# KiCad board DemoBoy.kicad_pcb (continued)
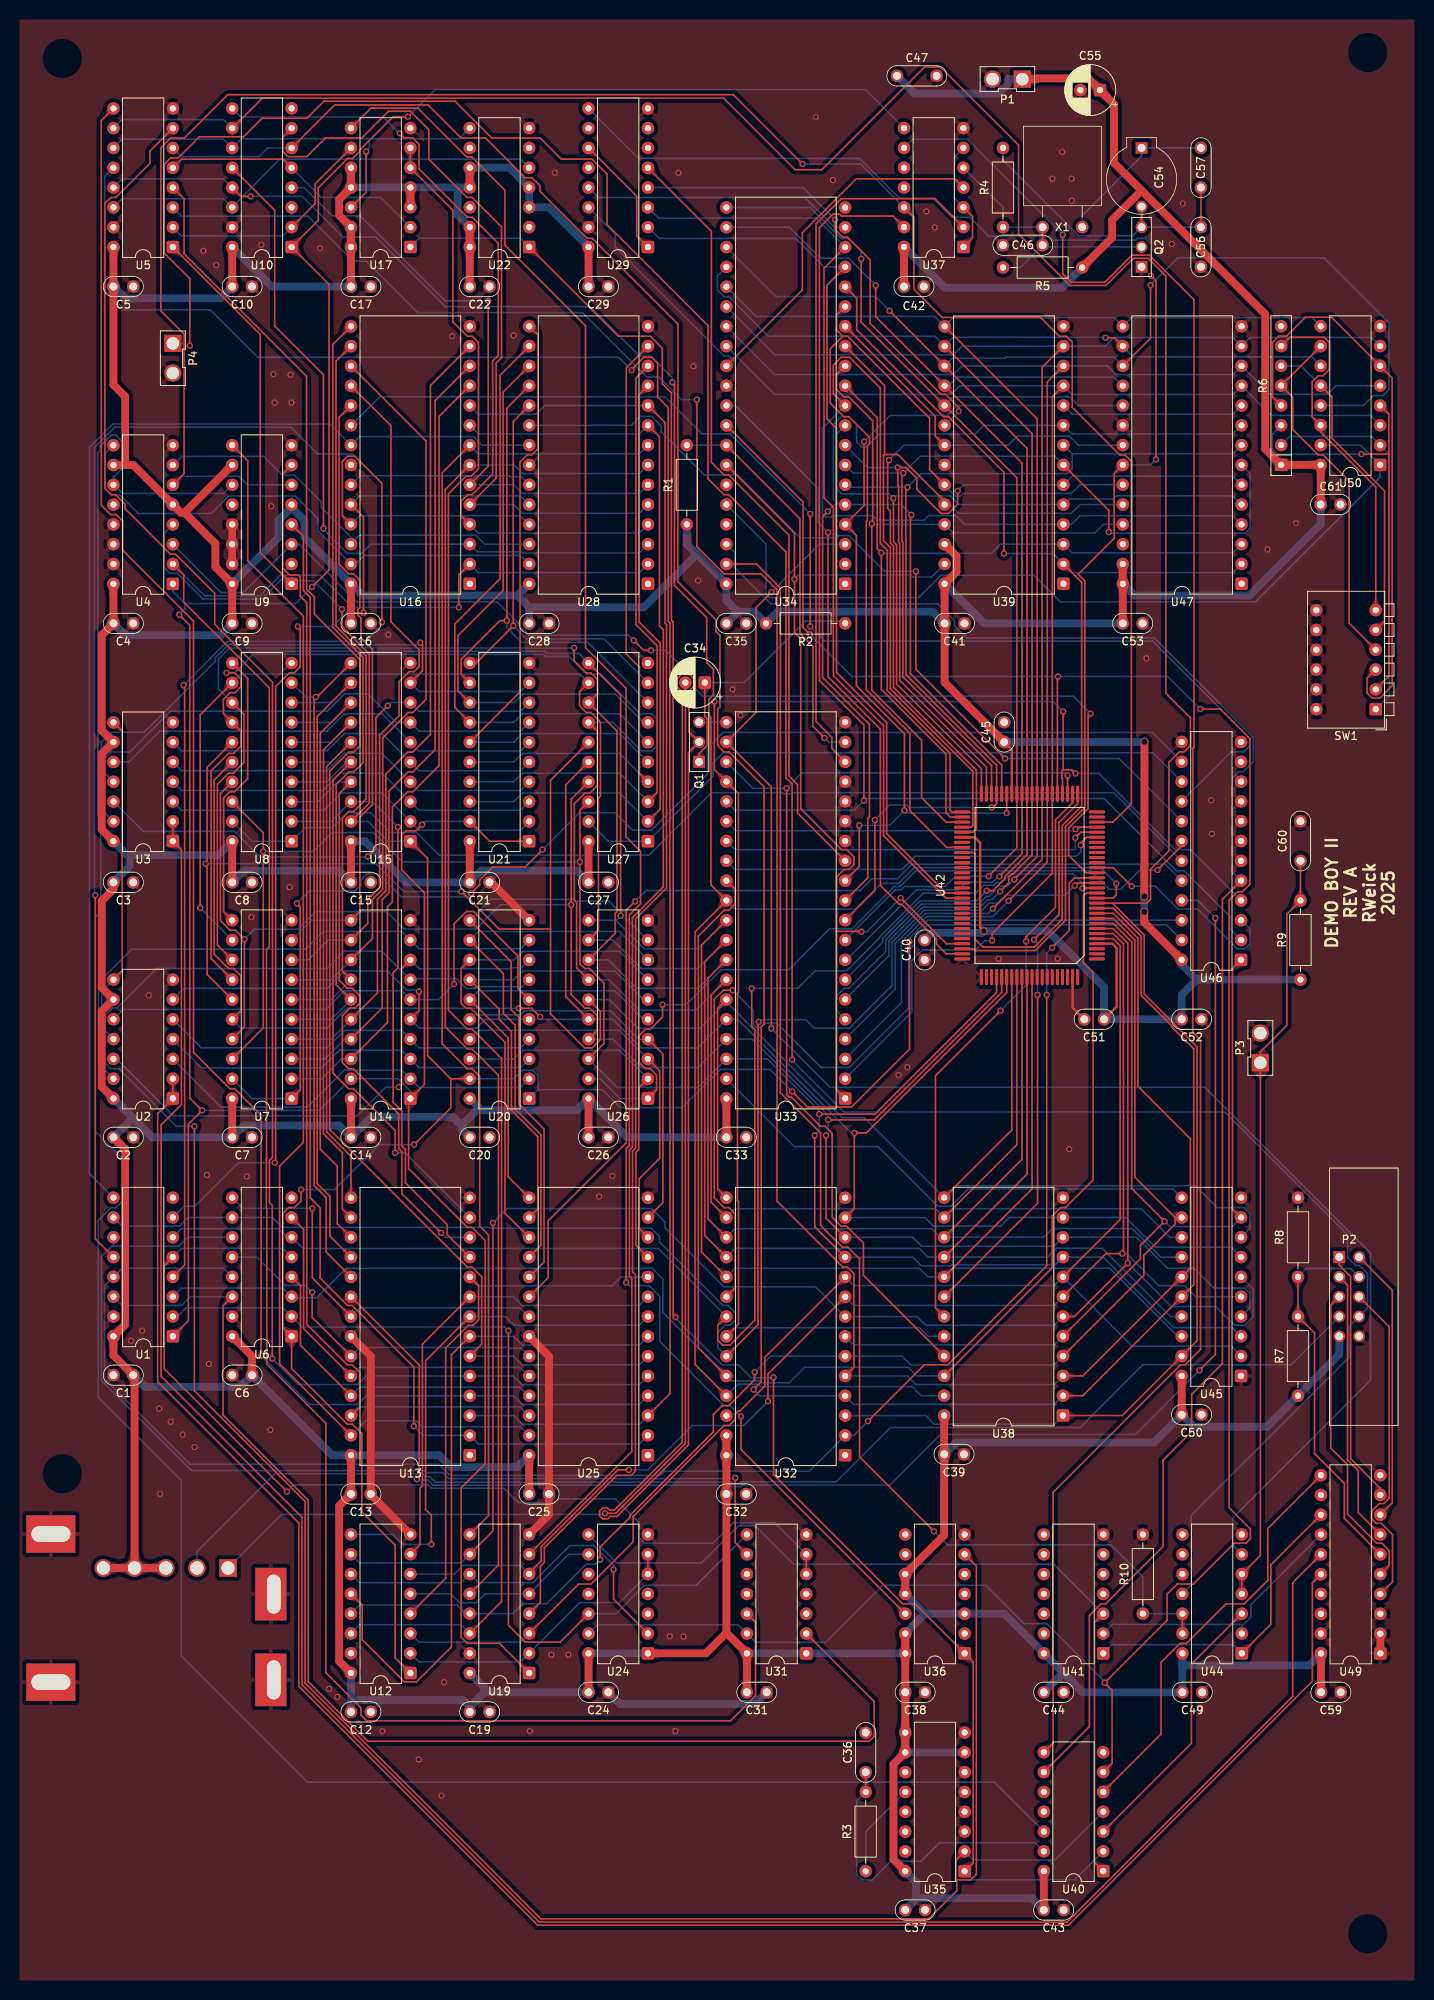
[diagram p0: board, top side]
## Routing (per net, layer and track width the routed paths; a pad name or vN(x,y) marks a point on that pad's centre or on a via; arc(x,y) is an arc through that point) (continued)
  Bottom w0.2: U28.27 65.87,182.17 64.77,183.27 44.71,183.27 43.6,182.17 U16.27 38.78,186.43 38.78,188 35.89,190.88 27.34,190.88 25.11,188.65 15.73,188.65 13.33,191.05 12.26,191.05 11.45,191.86 11.45,196.3 U4.9
/RAM0.D0: length 101.7
  Top w0.2: U16.11 54.34,201.09 54.34,156.31 50.98,152.96 50.32,152.96 48.35,150.99 48.35,138.81 47.72,138.18 47.72,123.38 U14.18
  Bottom w0.2: U7.2 39.28,116.15 41.82,118.69 U14.18
/RAM0.D1: length 101.7
  Top w0.2: U14.17 47.03,125.23 47.03,139.13 47.91,140 47.91,153.05 50.36,155.5 50.97,155.5 53.84,158.37 53.84,203.13 U16.12
  Bottom w0.2: U14.17 42.23,121.23 39.69,118.69 U7.3
/RAM0.D2: length 101.7
  Top w0.2: U14.16 46.43,127.17 46.43,139.17 47.51,140.24 47.51,155.23 50.32,158.04 50.95,158.04 53.23,160.32 53.23,205.07 U16.13
  Bottom w0.2: U14.16 40.5,121.23 U7.4
/RAM0.D3: length 100.2
  Top w0.2: 43.04,212.65 40.71,210.32 40.71,174.06 44.58,170.19 44.58,156.69 43.39,155.5 42.75,155.5 41.13,153.88 41.13,128.22 U14.15
  Bottom w0.2: U14.15 40.5,123.77 U7.5
/RAM0.D4: length 94.4
  Top w0.2: U14.14 41.94,129.95 41.94,149.62 42.74,150.42 43.36,150.42 44.99,152.04 44.99,170.35 41.11,174.23 41.11,208.19 U16.16
  Bottom w0.2: U14.14 40.5,126.31 U7.6
/RAM0.D5: length 93.2
  Top w0.2: U14.13 45.79,134.14 45.79,139.16 47.1,140.48 47.1,159.86 50.37,163.12 50.98,163.12 52.65,164.8 52.65,197.95 U16.17
  Bottom w0.2: U14.13 40.5,128.85 U7.7
/RAM0.D6: length 87.4
  Top w0.2: U16.18 48.16,199.9 48.16,174.76 51.78,171.14 51.78,169.01 51.14,168.37 50.5,168.37 49.21,167.08 49.21,162.72 46.7,160.21 46.7,140.64 45.19,139.13 45.19,136.08 U14.12
  Bottom w0.2: U14.12 40.09,133.93 37.55,131.39 U7.8
/RAM0.D7: length 78.8
  Top w0.2: U14.11 44.17,137.6 44.17,149.7 45.79,151.32 45.79,171.25 44.31,172.73 44.31,175.24 43.94,175.61 43.94,176.33 44.17,176.56 44.17,180.09 43.36,180.9 42.74,180.9 41.51,182.13 41.51,200.97 U16.19
  Bottom w0.2: U14.11 37.96,136.47 U7.9
/RAM0.~{CE1}: length 156.1
  Top w0.2: v3(101.96,188.59) v3(101.96,174.15)
  Bottom w0.2: U16.20 46.69,203.61 83.33,203.61 88.09,198.85 91.71,198.85 v3(101.96,188.59) ; v3(101.96,174.15) 103.83,172.28 145.9,172.28 158.37,159.8 158.37,158.88 157.57,158.07 155.98,158.07 U46.16
/RAM1-2.A0: length 71.4
  Top w0.2: U12.4 55.18,52.07 55.18,81.61 58.1,84.52 58.71,84.52 59.41,85.22 59.41,89.6 U13.10
  Bottom w0.2: U25.10 77.65,90.73 76.51,89.59 59.42,89.59 U13.10
/RAM1-2.A1: length 60
  Top w0.2: U12.7 51.89,56.41 51.89,63.64 52.2,63.95 52.2,82.12 U13.9
  Bottom w0.2: U13.9 63.88,88.19 65,87.08 80.03,87.08 U25.9
/RAM1-2.A2: length 66.5
  Top w0.2: v3(53.34,56.43) 53.34,60.16 52.61,60.9 52.61,79.98 U13.8
  Bottom w0.2: U13.8 62.87,85.65 63.98,84.54 80.03,84.54 U25.8 ; U12.9 48.42,57.71 49.7,56.43 v3(53.34,56.43)
/RAM1-2.A3: length 86.6
  Top w0.2: U13.7 55.93,80.77 55.93,43.3 51.43,38.8 49.88,38.8 44.48,44.21 44.48,48.65 U12.12
  Bottom w0.2: U25.7 80.03,82 65.03,82 63.92,83.11 U13.7
/RAM1-2.A4: length 194.6
  Top w0.2: U5.4 21.62,229 21.62,221.96 37.33,206.24 37.33,178.94 38.34,177.93 38.34,175.75 44.18,169.9 44.18,158.85 43.38,158.04 42.74,158.04 40.31,155.61 40.31,109.65 57.96,92 58.57,92 59.81,90.76 59.81,82.1 U13.6
  Bottom w0.2: U25.6 80.03,79.46 65,79.46 63.88,80.57 U13.6
/RAM1-2.A5: length 222.7
  Top w0.2: v3(32.94,80.25) 32.94,99.89 32.58,100.25 32.58,105.68 32.96,106.06 32.96,167.02 25.55,174.43 25.55,178.41 20.54,183.43 19.87,183.43 14.03,189.27 14.03,189.87 12.85,191.05 12.27,191.05 11.45,191.87 11.45,228.4 12.23,229.17 12.85,229.17 17.24,233.56 17.24,235.12 20.18,238.06
  Bottom w0.2: v3(32.94,80.25) 36.27,76.92 43.89,76.92 45,78.03 U13.5 63.85,78.03 64.96,76.92 80.03,76.92 U25.5
/RAM1-2.A6: length 223.5
  Top w0.2: v3(31.52,80.63) 31.52,111.46 28.09,114.88 27.49,114.88 22.83,119.54 22.83,174.84 13.73,183.93 13.73,187.69 12.91,188.51 12.19,188.51 11,189.7 11,239.04 U5.9
  Bottom w0.2: v3(31.52,80.63) 37.77,74.37 43.89,74.37 45,75.49 U13.4 63.88,75.49 65,74.38 80.03,74.38 U25.4
/RAM1-2.A7: length 253
  Top w0.2: v3(79.06,207) 79.06,207.13 80.6,208.67 81.64,208.67 82.38,207.94 82.38,203.58 83.74,202.22 83.74,174.82 83.97,174.59 83.97,75.78 U25.3
  Bottom w0.2: U25.3 80.03,71.84 65.03,71.84 63.92,72.95 U13.3 ; U5.12 11.44,231.86 11.44,217.29 13.97,214.76 24.98,214.76 31.07,208.67 77.39,208.67 v3(79.06,207)
/RAM1-2.A8: length 42.2
  Top w0.2: U13.25 36.55,81.98 36.55,89.61 U6.4
  Bottom w0.2: U13.25 44.15,76.6 64.67,76.6 65.78,75.49 U25.25
/RAM1-2.A9: length 47.3
  Top w0.2: U6.7 36.95,96.82 36.95,84.11 U13.24
  Bottom w0.2: U13.24 44.15,79.14 64.71,79.14 65.82,78.03 U25.24
/RAM1-2.A10: length 50.6
  Top w0.2: v3(38.07,99.53) 38.07,90.61 U13.21
  Bottom w0.2: U13.21 44.15,86.76 64.71,86.76 65.82,85.65 U25.21 ; v3(38.07,99.53) 29.17,99.53 U6.9
/RAM1-2.A11: length 46.2
  Top w0.2: U13.23 38.06,85.55 v3(38.06,88.78)
  Bottom w0.2: U13.23 44.16,81.69 63.33,81.69 63.42,81.6 64.87,81.6 U25.23 ; v3(38.06,88.78) 37.19,89.64 34.6,89.64 30.96,93.28 U6.12
/RAM1-2.A12: length 153.9
  Top w0.2: v3(51.1,71.59) 51.1,79.16 43.17,87.09 42.58,87.09 39.09,90.58 39.09,99.59 37.81,100.87 37.81,177.89 36.93,178.77 36.93,185.73 U9.4
  Bottom w0.2: v3(51.1,71.59) 52.28,70.41 U13.2 59.39,69.3 80.03,69.3 U25.2
/RAM1-2.CE2: length 151.7
  Top w0.2: U13.26 44.15,74.06 44.15,78.5 43.18,79.47 42.55,79.47 37.35,84.67 37.35,177.21 36.53,178.03 36.53,180.46 36.24,180.75 35.17,180.75 34.29,181.63 34.29,193.73 U9.7
  Bottom w0.2: U25.26 65.82,72.95 64.71,74.06 44.15,74.06 U13.26
/RAM1-2.~{WE}: length 160.2
  Top w0.2: U13.27 33.87,79.58 33.87,104.93 36.92,107.99 36.92,175.48 29.79,182.61 29.79,195.41 U9.9
  Bottom w0.2: U25.27 65.86,70.41 64.75,71.52 52.16,71.52 51.39,72.29 44.92,72.29 U13.27
/RAM1.D0: length 49
  Top w0.2: U26.2 79.96,114.97 79.96,107.07 79.61,106.72 79.61,94.8 U25.11
  Bottom w0.2: U20.18 63.93,118.69 65.04,119.8 77.49,119.8 U26.2
/RAM1.D1: length 49.9
  Top w0.2: U25.12 80.02,96.93 80.02,103.32 82.65,105.95 82.65,117.18 U26.3
  Bottom w0.2: U20.17 59.41,122.37 77.46,122.37 U26.3
/RAM1.D2: length 49.3
  Top w0.2: U26.4 83.06,119.31 83.06,100.27 U25.13
  Bottom w0.2: U20.16 58.84,124.34 64.76,124.34 65.29,124.87 76.32,124.87 79.96,121.23 U26.4
/RAM1.D3: length 53.4
  Top w0.2: U20.15 63.2,121.38 63.2,103.58 U25.15
  Bottom w0.2: U20.15 59.39,127.42 76.92,127.42 80.57,123.77 U26.5
/RAM1.D4: length 59.4
  Top w0.2: U20.14 62.05,125.08 62.05,123.77 63.62,122.2 63.62,112.11 67,108.73 67,99.45 U25.16
  Bottom w0.2: U26.6 80.57,126.31 76.92,129.96 65.04,129.96 63.92,128.85 U20.14
/RAM1.D5: length 64.8
  Top w0.2: U25.17 62.79,98.92 62.79,120.83 58.44,125.18 57.82,125.18 57.17,125.82 57.17,130.29 U20.13
  Bottom w0.2: U20.13 63.93,131.39 65.04,132.5 77.49,132.5 U26.7
/RAM1.D6: length 69.9
  Top w0.2: U20.12 62.59,129.62 62.59,124.54 64.11,123.02 64.11,112.27 67.41,108.97 67.41,94.78 U25.18
  Bottom w0.2: U26.8 77.49,135.04 59.38,135.04 U20.12
/RAM1.D7: length 77
  Top w0.2: U20.11 63.59,131.15 63.59,125.01 64.57,124.04 64.57,112.93 67.81,109.69 67.81,92.64 U25.19
  Bottom w0.2: U20.11 60.98,139.17 71.58,139.17 71.81,138.94 76.13,138.94 77.32,137.75 77.92,137.75 78.33,137.34 78.33,136.74 U26.9
/RAM1.~{CE1}: length 129.3
  Top w0.2: v3(79.49,138.9) 78.35,137.76 78.35,107.94 68.33,97.92 68.33,90.63 U25.20
  Bottom w0.2: U46.20 147.52,143.67 115.01,143.67 113.15,141.81 109.87,141.81 108.36,140.29 80.88,140.29 v3(79.49,138.9)
/RAM2.D0: length 75.5
  Top w0.2: U13.11 55.39,96.16 55.39,97.43 50.03,102.8 50.03,107.08 49.56,107.55 49.56,112.03 48.44,113.15 48.44,129.73 49.05,130.35 v3(49.05,148.44)
  Bottom w0.2: v3(49.05,148.44) 45.8,151.69 U15.18 40.5,149.15 U8.2
/RAM2.D1: length 79.4
  Top w0.2: U15.17 41.53,152.73 41.53,128.77 42.56,127.75 43.19,127.75 44.14,126.79 44.14,125.83 43.53,125.21 42.9,125.21 41.93,124.24 41.93,118.23 42.74,117.42 43.36,117.42 49.16,111.63 49.16,107.18 49.56,106.78 49.56,101.42 v3(54.62,96.37)
  Bottom w0.2: v3(54.62,96.37) 55.17,95.81 U13.12 ; U8.3 38.79,151.69 41.33,154.23 U15.17
/RAM2.D2: length 76.4
  Top w0.2: v3(48.7,106.64) 48.7,109.52 43.34,114.88 42.72,114.88 40.73,116.87 40.73,154.46 U15.16
  Bottom w0.2: U8.4 39.93,154.23 42.47,156.77 U15.16 ; U13.13 49.98,106.64 v3(48.7,106.64)
/RAM2.D3: length 69.7
  Top w0.2: U15.15 39.91,156.18 39.91,109.33 43.04,106.19 U13.15
  Bottom w0.2: U15.15 40.5,156.77 U8.5
/RAM2.D4: length 75.1
  Top w0.2: U13.16 41.93,99.45 41.93,106.66 39.5,109.09 39.5,158.32 U15.14
  Bottom w0.2: U15.14 40.5,159.31 U8.6
/RAM2.D5: length 80.5
  Top w0.2: U13.17 41.28,97.57 41.28,104.94 39.1,107.11 39.1,160.46 U15.13
  Bottom w0.2: U8.7 40.5,161.85 U15.13
/RAM2.D6: length 85.9
  Top w0.2: U13.18 40.34,95.97 40.34,101.07 38.7,102.71 38.7,162.59 U15.12
  Bottom w0.2: U8.8 40.5,164.39 U15.12
/RAM2.D7: length 86.6
  Top w0.2: U15.11 38.68,165.11 v3(38.51,165.11) 38.3,164.9 38.3,102.46 39.85,100.91 39.85,93.91 U13.19
  Bottom w0.2: U8.9 37.23,165.11 v3(38.51,165.11)
/RAM2.~{CE1}: length 198.3
  Top w0.2: v3(51.48,64.79) 51.8,65.11 51.8,79.43 U13.20 ; v3(153.95,136.77) 153.95,80.8 v3(151.9,78.75)
  Bottom w0.2: v3(51.48,64.79) 51.58,64.69 52.91,64.69 53.57,64.02 91.71,64.02 91.9,63.84 93.04,63.84 93.25,64.05 112.2,64.05 118.68,70.53 143.67,70.53 v3(151.9,78.75) ; v3(153.95,136.77) 151.7,139.02 U46.21
/RAM3.D0: length 82.9
  Top w0.2: U28.11 80.02,203.91 80.02,174.71 82.71,172.03 82.71,150.72 U27.2
  Bottom w0.2: U21.18 63.93,151.69 65.04,152.8 77.49,152.8 U27.2
/RAM3.D1: length 83
  Top w0.2: U28.12 79.6,206.02 79.6,174.39 82.3,171.69 82.3,152.85 U27.3
  Bottom w0.2: U27.3 77.49,155.34 65.04,155.34 63.93,154.23 U21.17
/RAM3.D2: length 83
  Top w0.2: U27.4 80.04,155.33 80.04,168.95 78.36,170.63 78.36,207.32 U28.13
  Bottom w0.2: U21.16 63.93,156.77 65.04,157.88 77.49,157.88 U27.4
/RAM3.D3: length 82.6
  Top w0.2: 65.91,212.65 67.01,211.54 67.01,196.93 66.22,196.14 65.61,196.14 64.73,195.26 64.73,165.76 U21.15
  Bottom w0.2: U27.5 77.49,160.41 65.03,160.41 63.93,159.31 U21.15
/RAM3.D4: length 77.8
  Top w0.2: U28.16 62.17,206.37 62.17,180.28 56.36,174.47 56.36,163.77 U21.14
  Bottom w0.2: U27.6 77.49,162.96 65.04,162.96 63.93,161.85 U21.14
/RAM3.D5: length 72.4
  Top w0.2: U21.13 56.76,165.91 56.76,172.98 62.57,178.79 62.57,204.23 U28.17
  Bottom w0.2: U21.13 63.93,164.39 65.03,165.49 76.93,165.49 80.57,161.85 U27.7
/RAM3.D6: length 65.7
  Top w0.2: U21.12 57.16,168.04 57.16,169.94 62.12,174.9 v3(63.04,174.9) 63.04,202.16 U28.18
  Bottom w0.2: U27.8 73.42,172.11 64.94,172.11 63.04,174.01 v3(63.04,174.9)
/RAM3.D7: length 57
  Top w0.2: U21.11 59.09,169.47 v3(63.86,174.24) 63.86,200.44 U28.19
  Bottom w0.2: U27.9 75.5,172.57 65.52,172.57 v3(63.86,174.24)
/RAM3.~{CE1}: length 113.7
  Top w0.2: v3(126.97,157.22) 115.52,168.67 v3(115.52,181.23)
  Bottom w0.2: U46.17 141.59,157.22 v3(126.97,157.22) ; U28.20 79.01,199.95 80.16,201.1 81.6,201.1 82.84,199.86 82.84,199.13 88.37,193.6 92.62,193.6 100.69,185.52 105.31,185.52 105.6,185.81 106.9,185.81 111.49,181.23 v3(115.52,181.23)
/RAM.A0.EN: length 38.1
  Top w0.2: U24.6 U24.5
  Bottom w0.2: U12.2 51.77,41.36 64.79,41.36 U19.2 72.39,48.96 77.48,48.96 U24.5
/RAM.A1.EN: length 25.9
  Bottom w0.2: U24.9 70.97,55.16 U19.5 60.25,50.09 59.11,48.95 56.97,48.95 55.83,50.09 U12.5
/RAM.A2.EN: length 48.7
  Top w0.2: U24.2 76.72,49.41 v3(76.72,53.21)
  Bottom w0.2: U12.11 44.15,51.52 57.17,51.52 U19.11 59.38,51.53 66.36,51.53 71.11,56.28 74.19,56.28 76.72,53.74 v3(76.72,53.21)
/RAM.A3.EN: length 217.5
  Top w0.2: U17.6 U17.5 56.11,227.53 56.11,213.21 57.95,211.38 58.57,211.38 59.4,210.56 59.4,194.39 58.44,193.43 57.8,193.43 55.54,191.18 55.54,124.94 57.98,122.5 58.59,122.5 62.35,118.74 62.35,49.09 U19.14
  Bottom w0.2: U19.14 57.17,46.12 44.15,46.12 U12.14
/RAM.A4.EN: length 29.5
  Top w0.2: U17.9 38.44,230.94 38.44,228.39 U10.2
  Bottom w0.2: U5.2 21.29,224.25 34.31,224.25 U10.2
/RAM.A5.EN: length 34.5
  Top w0.2: U5.5 21.28,234.08 34.31,234.08 U10.5
  Bottom w0.2: 50.66,225.37 46.85,229.18 39.22,229.18 U10.5
/RAM.A6.EN: length 57.5
  Top w0.2: v3(44.98,235.06) 44.98,229.85 U17.12
  Bottom w0.2: 45.37,236.63 45.45,236.71 56.92,236.71 U22.8 ; 45.37,236.63 45.37,235.45 v3(44.98,235.06) ; 45.37,236.63 45.29,236.71 28.99,236.71 U10.11 26.66,236.66 13.69,236.66 U5.11
/RAM.A7.EN: length 57.3
  Bottom w0.2: U22.5 64.79,234.1 33.94,234.1 27.8,227.95 U10.14 26.69,229.01 13.66,229.01 U5.14
/RAM.A8.EN: length 119.7
  Top w0.2: v3(63.24,83.85) 63.24,46.06 65.4,43.9 69.88,43.9 U24.12
  Bottom w0.2: U24.12 77.04,47.54 80.68,51.18 87.32,51.18 U31.8 ; U1.2 20.75,85.66 21.86,86.77 34.31,86.77 U6.2 36.77,84.31 62.77,84.31 v3(63.24,83.85)
/RAM.A9.EN: length 130.2
  Top w0.2: U31.5 U31.6 ; U1.5 19.07,92.17 19.07,78.95 v3(34.83,63.2)
  Bottom w0.2: v3(34.83,63.2) 35.69,64.06 52.97,64.06 53.41,63.62 62.66,63.62 64.5,61.79 69.24,61.79 69.72,62.27 76.95,62.27 80.04,59.18 80.04,57.24 80.68,56.6 81.25,56.6 81.25,56.59 89.49,56.59 92.13,59.23 97.38,59.23 U31.6 ; U6.5 34.31,94.39 21.29,94.39 U1.5
/RAM.A10.EN: length 131.9
  Top w0.2: v3(92.34,64.99) 92.34,56.66 U31.9
  Bottom w0.2: 12.56,94.68 12.34,94.68 11.02,93.36 11.02,77.45 22.58,65.89 52.42,65.89 52.67,65.63 54.82,65.63 55.59,64.86 92.21,64.86 v3(92.34,64.99) ; 12.56,94.68 20.95,94.68 22.09,95.82 U6.11 ; 12.56,94.68 U1.11
/RAM.A11.EN: length 163.4
  Top w0.2: U31.2 110.18,36.28 110.18,31.84 109.53,31.18 45.2,31.18 37.55,38.83 37.55,62.09 26.63,73.02 26.63,87.03 U6.14
  Bottom w0.2: U6.14 22.43,88.2 21.31,87.09 13.67,87.09 U1.14
/RAM.A12.EN: length 239.8
  Top w0.2: U31.12 94.95,46.43 94.95,37.02 91.74,33.81 45.06,33.81 44.31,34.56 44.31,35.48 39.8,39.99 39.8,71.98 32.23,79.55 32.23,99.46 32.17,99.52 32.17,105.84 32.2,105.87 32.2,132.72 32.56,133.08 32.56,166.28 21.57,177.28 21.57,180.77 U4.2
  Bottom w0.2: U4.2 24.25,178.09 31.34,178.09 U9.2
/RAM.~{WE}.EN: length 309.1
  Bottom w0.2: U9.11 26.69,191.22 13.76,191.22 12.66,192.32 U4.11 12.56,193.3 13.66,194.4 13.66,197.88 12.84,198.7 12.27,198.7 10.83,197.26 10.83,196.69 10.56,196.42 10.56,149.9 10.93,149.53 10.93,137.59 10.23,136.9 10.23,109.41 13.69,105.95 13.69,100.47 12.85,99.63 12.26,99.63 10.61,97.98 10.61,75.29 21.26,64.64 21.26,42.14 37.45,25.95 125.6,25.95 U40.12
/S.Gameboy: length 54
  Top w0.2: 167.5,65.31 160.67,58.48 160.67,51.82 157.66,48.81 155.32,48.81 150.24,43.73 149.42,43.73 146.97,41.29 146.97,32.11 U40.5
/ST.Gameboy: length 40.7
  Top w0.2: U44.1 161.07,46.19 161.07,53.8 U49.13
  Bottom w0.2: U41.1 140.67,43.57 156.23,43.57 U44.1
/System.Reset: length 97.1
  Top w0.2: C60.1 164.87,139.02 163.12,137.28 163.12,123.01 159.72,119.6 P3.1 159.72,55 U44.5 U44.4
/U17.CP0: length 232.5
  Top w0.2: U17.8 45.6,240.63 51.61,240.63 57.88,234.37 58.53,234.37 62.78,230.11 62.78,223.07 73.12,212.72 73.12,171.43 78.33,166.22 78.33,147.18 80.2,145.32 80.2,138.6 78.75,137.16 78.75,107.57 78.35,107.17 v3(78.35,90.01) ; U36.12 93.08,68.62 v3(93.08,72.87)
  Bottom w0.2: v3(78.35,90.01) 78.74,89.62 81.27,89.62 82.66,88.23 82.66,82.48 90.92,74.22 91.73,74.22 v3(93.08,72.87)
/Video_Out: length 3.5
  Bottom w0.2: U33.21 Q1.3
/~{IRQ}: length 330.1
  Top w0.2: v3(133.75,167.75) 133.68,167.68 U42.35 ; U34.32 101.04,190.12 101.04,174.03 v3(101.93,173.14) ; U40.6 140.7,28.37 140.7,37.71 v3(139.73,38.68) 147.75,46.7 147.75,50.05 149.05,51.35 151.13,51.35 156.38,56.6 157.86,56.6 158.44,57.17 158.44,58.4 155.7,61.13 155.7,139.06 156.77,140.12 157.41,140.12 158.39,141.1 158.39,159.76 154.58,163.57 v3(152,163.57)
  Bottom w0.2: v3(152,163.57) 147.82,167.75 v3(133.75,167.75) 107.32,167.75 v3(101.93,173.14) ; v3(139.73,38.68) 139.73,38.84 132.3,46.27 129.39,46.27 124.47,51.19 111.25,51.19 103.93,43.87 94.97,43.87 U31.13 92.73,46.11 74.63,46.11 U24.13
/~{NMI}: length 50.7
  Top w0.2: v3(103.79,159.86) 102.3,161.34 102.3,171.6 100.64,173.26 100.64,187.98 U34.33
  Bottom w0.2: U33.19 104.31,159.34 v3(103.79,159.86) ; U34.33 R1.2
/~{Reset}: length 208
  Top w0.2: v3(96.96,122.59) 96.96,153.58 U33.22 95.02,163.15 95.02,176.59 v3(96.99,178.56)
  Bottom w0.2: v3(96.96,122.59) 104.5,115.05 152.59,115.05 173.86,93.79 173.86,77.5 156.17,59.81 156.17,56.33 U44.6 ; v3(96.99,178.56) 103.14,184.71 U34.3
/~{ROMSEL}: length 189.7
  Top w0.2: U47.22 140.97,193.77 140.97,186.56 140.98,186.55 140.98,185.48 136.34,180.84 137.19,179.99 137.19,150.95 134.71,148.47 134.71,136.47 130.84,132.59 123.15,132.59 122.92,132.82 121.45,132.82 U42.78 122.08,132.82 ; v3(145.68,219.12) 146.33,218.48 v3(146.33,195.57)
  Bottom w0.2: U29.9 79.94,234.18 108.31,234.18 113.42,229.07 117.72,229.07 120.14,226.64 122.44,226.64 124.89,224.19 132.62,224.19 133.11,223.71 143.73,223.71 143.96,223.93 144.93,223.93 145.68,223.18 v3(145.68,219.12) ; U47.22 145.63,194.87 v3(146.33,195.57)
Net-(C36-Pad1): length 40.4
  Top w0.2: C36.1 R3.2
  Bottom w0.2: U40.13 130.84,18.17 118.56,18.17 116.18,15.79 112.3,15.79 109.89,13.39 108.62,13.39 107.92,14.09 107.92,23.52 R3.2
Net-(C54-Pad1): length 20.9
  Bottom w0.2: X1.2 136.86,226.86 144.48,234.48 C54.1 C57.1
Net-(Q1-E): length 32.1
  Top w0.2: Q1.1 87.71,157.85 88.44,158.58 88.44,158.58 88.76,158.9 88.76,162.32 88.44,162.64 C34.1
  Bottom w0.2: R2.2 106.15,174.85 101.37,174.85 93.48,166.96 C34.1
Net-(Q2-B): length 39.2
  Top w0.2: 144.48,225.37 C54.2 ; 152.1,225.37 C57.2
  Bottom w0.2: R4.2 126.7,233.97 136.42,224.25 143.36,224.25 144.48,225.37 152.1,225.37
Net-(Q2-C): length 36.1
  Top w0.2: X1.1 C46.1
  Bottom w0.2: X1.1 R4.1 126.7,227.91 U37.5 ; 126.8,220.19 128.91,220.19 C46.1 132,222.83 Q2.2
Net-(R6-R1): length 48.7
  Bottom w0.2: R6.2 163.5,198.53 173.98,198.53 U50.2 176.24,196.26 176.24,165.27 SW1.1
Net-(R6-R2): length 56.3
  Top w0.2: U50.4 176.2,201.39 176.2,196.26 ; 176.2,196.26 v3(172.69,196.26) ; 176.2,196.26 176.2,167.76 SW1.2
  Bottom w0.2: v3(172.69,196.26) 161.93,196.26 161.25,196.94 161.25,198.82 R6.3
Net-(R6-R3): length 75.5
  Top w0.2: SW1.3 173.41,167.52 173.41,165.62 174.06,164.98 175.05,164.98 176.63,166.56 176.63,206.04 U50.6 168.85,213.81 165.51,213.81 163.08,211.39 162.07,211.39 161.28,210.6 161.28,203.61 R6.4
Net-(R6-R4): length 46.4
  Top w0.2: U50.10 R6.5 163.86,203.56 163.86,199.45 167.16,196.15 167.78,196.15 171.11,192.82 171.11,174.58 SW1.4
Net-(R6-R5): length 41.3
  Top w0.2: SW1.5 175.65,174.83 175.65,191.54 168.91,198.29 168.91,203.6 U50.12
  Bottom w0.2: R6.6 164.93,207.58 U50.12
Net-(R6-R6): length 45.9
  Top w0.2: R6.7 163.51,211.24 167.91,211.24 168.57,210.58 168.57,207.12 167.76,206.31 167.14,206.31 166.37,205.54 166.37,201.06 U50.14 167.47,199.09 174.52,192.03 SW1.6
Net-(U24-Cp0): length 108.1
  Top w0.2: U41.3 138.44,46.42 138.44,15.65 U40.1
  Bottom w0.2: U24.8 77.16,54.06 88.02,54.06 92.78,58.81 94.92,58.81 99.84,53.89 133.21,53.89 U41.3
Net-(U29A-E): length 15.9
  Top w0.2: U29.11 79.7,229.34 79.7,224.26 U29.1
Net-(U37-Pad1): length 14.6
  Top w0.2: U37.3 122.79,226.74 122.79,224 U37.1
  Bottom w0.2: U37.3 120.45,229.08 120.45,234.36 U37.6
Net-(U37-Pad9): length 247.5
  Top w0.2: U40.8 133.12,30.96 133.12,63.11 149.47,79.45 150.06,79.45 152.04,81.43 152.04,121.14 151.04,122.14 151.04,158.49 151.21,158.66 151.21,216.05 145.5,221.77 143.27,221.77 143.22,221.77 139.75,218.29 135.45,218.29 134.36,219.37 v3(134.36,224.41)
  Bottom w0.2: v3(134.36,224.41) 122.13,236.64 115.11,236.64 U37.9
Net-(U40-Pad3): length 35.3
  Top w0.2: U40.3 150.87,30.92 150.87,41.07 U44.3

## Copper pours and planes (outline as drawn; the poured copper is in the pictures)
/GND on Top, Bottom: 0,0 180,0 180,252.5 0,252.5

Small or netless copper shapes (teardrops, artwork), in the pictures only: 746 on Top, 879 on Bottom

## Text on the board
F.Silkscreen: DEMO BOY II / REV A / RWeick / 2025
